# Altium PCB STB_LightBoard.PcbDoc (part 13 of 31) (continued)
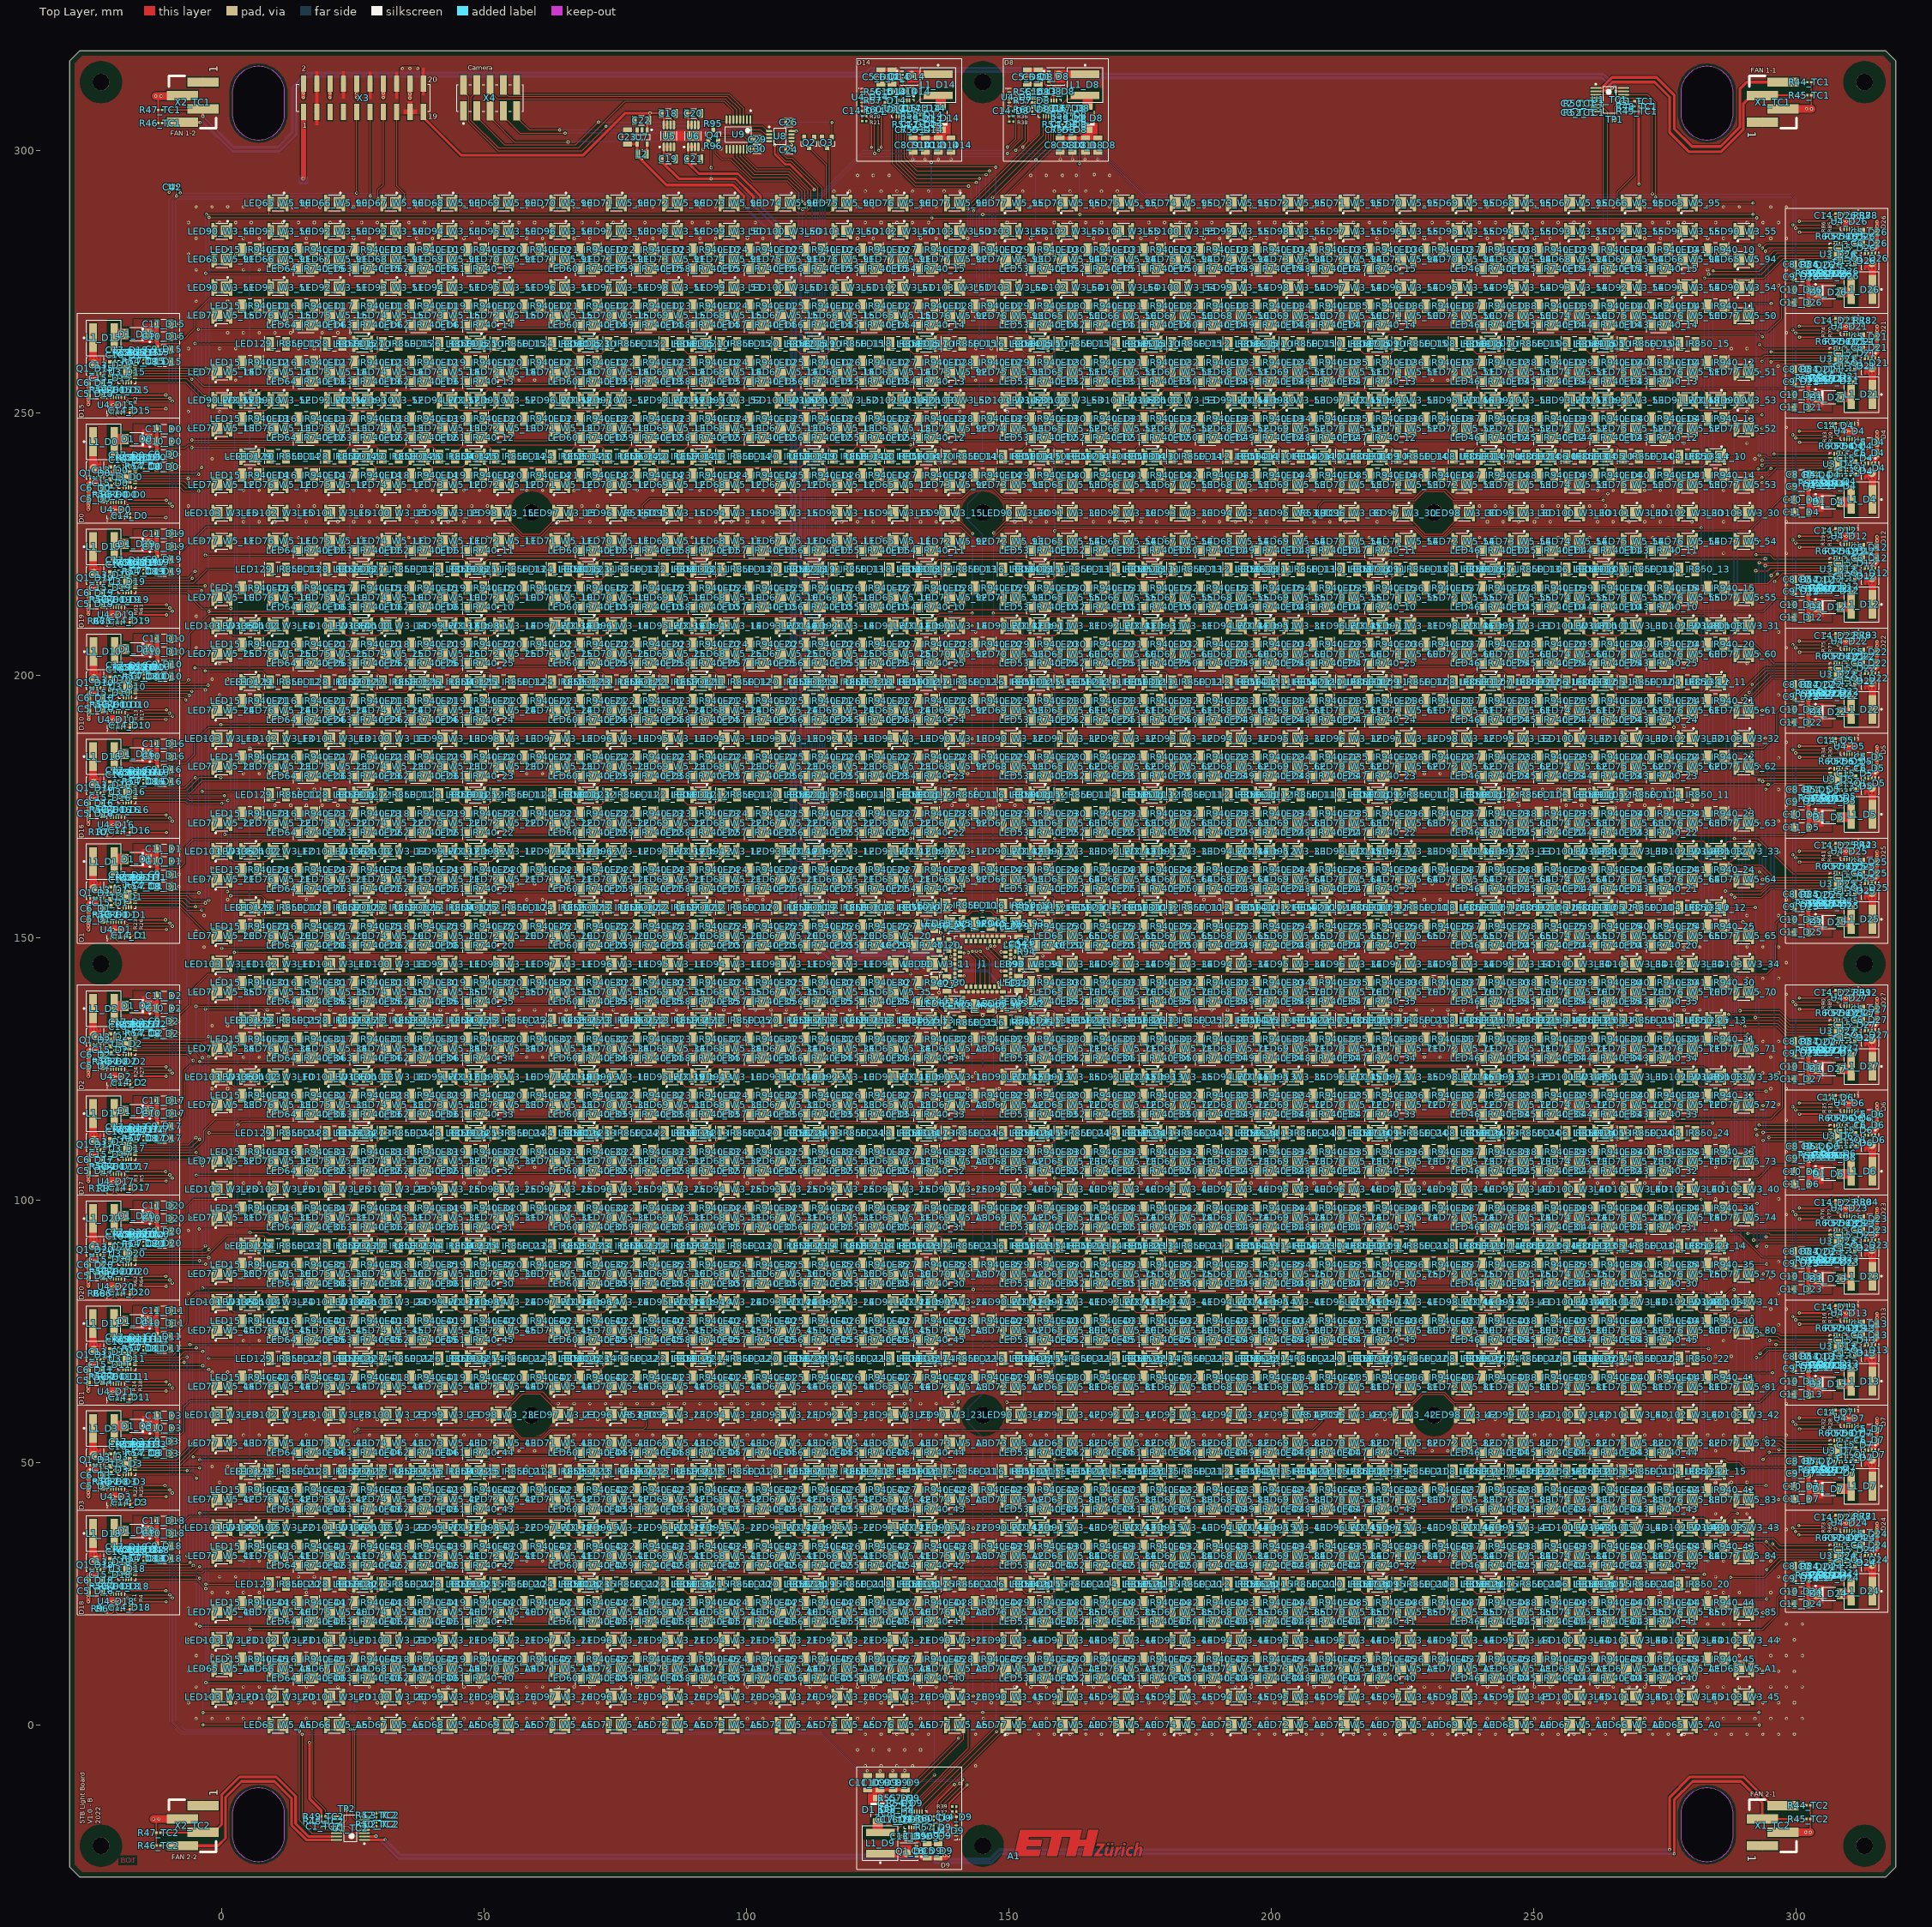
[diagram p0: Top Layer view]
## Nets (pads, with @x,y where several pads share a name; then routed paths per layer and width w, separated by ;. In a path a pad name is that pad's centre, name@x,y a point inside that pad or via, vN(x,y) a via of type N, cw(c..) or ccw(c..) an arc to the next point about the centre after c; other vN are vias at no path point) (continued)
  Top Layer w0.4: v1(105.375,301.075) 105.375,299.323 107.398,297.3 108.305,297.3 112.861,292.744 112.861,292.539 v1(112.9,292.5)
  Top Layer w0.5: v1(16.714,-3.34) 16.714,-14.042 18.978,-16.307 R49_TC2.2@18.978,-17.42 R48_TC2.2@18.978,-18.391 ; v1(270.028,293.542) R48_TC1.2@270.028,308.385
  Top Layer w1: v1(15.497,294.604) 15.57,294.677 X3.1@15.57,307.3
  Bottom Layer w0.2: v1(101.45,301.05) v1@108.588,301.05
  Bottom Layer w0.254: v1(-22.7,83.2) -21.836,84.064 -21.836,86.052 -21.482,86.407 -21.482,86.538 ; v1(-22.7,211.4) -21.9,212.2 -21.9,213.9 -21.482,214.318 ; v1(-22.655,23.155) -21.85,23.96 -21.85,26.076 -21.482,26.444 v1(-21.482,27.018) ; v1(-22.622,171.078) -21.9,171.8 -21.9,173.986 -21.425,174.461 ; v1(-22.553,103.247) -21.836,103.964 -21.836,106.064 -21.482,106.418 ; v1(-21.524,67.018) -20.895,66.389 -19.743,66.389 v1(-19.131,67.001) ; -21.491,26.389 -19.701,26.389 v1(-19.089,27.001) ; v1(-21.482,47.018) -20.853,46.389 -19.701,46.389 v1(-19.089,47.001) ; v1(-21.482,87.018) -21.482,86.538 ; v1(-21.482,107.018) -21.482,106.418 ; v1(-21.482,127.018) -20.853,126.389 -19.701,126.389 v1(-19.089,127.001) ; v1(-21.482,155.018) -20.853,154.389 -19.701,154.389 v1(-19.089,155.001) ; v1(-21.482,175.018) -21.482,174.518 -21.425,174.461 ; v1(-21.482,215.018) -21.482,214.389 -19.701,214.389 v1(-19.089,215.001) ; v1(-21.482,235.018) -20.853,234.389 -19.701,234.389 v1(-19.089,235.001) ; v1(-21.482,255.018) -20.853,254.389 -19.701,254.389 v1(-19.089,255.001) ; v1(-21.424,195.018) -20.795,194.389 -19.643,194.389 v1(-19.031,195.001) ; v1(-19.089,87.001) -19.701,86.389 -21.333,86.389 -21.482,86.538 ; v1(-19.089,107.001) -19.701,106.389 -21.471,106.389 -21.482,106.4 -21.482,106.418 ; v1(-19.089,175.001) -19.701,174.389 -21.353,174.389 -21.425,174.461 ; v1(127.001,309.089) 126.431,309.659 126.431,310.896 v1(127.018,311.482) ; v1(134.982,-21.482) 135.611,-20.853 135.611,-19.701 v1(134.999,-19.089) ; v1(155.001,309.089) 154.264,309.826 154.264,310.728 v1(155.018,311.482) ; v1(309.089,34.999) 309.69,35.6 311.482,35.6 ; v1(309.089,54.999) 309.701,55.611 310.853,55.611 v1(311.482,54.982) ; v1(309.089,74.999) 309.701,75.611 310.853,75.611 v1(311.482,74.982) ; v1(309.089,94.999) 309.701,95.611 311.482,95.611 311.482,95.549 ; v1(309.089,114.999) 309.701,115.611 310.853,115.611 v1(311.482,114.982) ; v1(309.089,134.999) 309.726,135.636 311.458,135.636 ; v1(309.089,162.999) 309.701,163.611 311.473,163.611 311.482,163.602 311.482,163.588 ; v1(309.089,182.999) 309.701,183.611 310.853,183.611 v1(311.482,182.982) ; v1(309.089,202.999) 309.701,203.611 311.411,203.611 311.466,203.557 ; v1(309.089,222.999) 309.701,223.611 310.853,223.611 v1(311.482,222.982) ; v1(309.089,242.999) 309.701,243.611 310.853,243.611 v1(311.482,242.982) ; v1(309.089,262.999) 309.701,263.611 311.482,263.611 ; v1(309.089,282.999) 309.701,283.611 311.482,283.611 311.482,283.573 ; v1(311.482,34.982) 311.482,35.6 ; v1(311.482,94.982) 311.482,95.549 ; v1(311.482,134.982) 311.458,135.006 311.458,135.636 ; v1(311.482,162.982) 311.482,163.588 ; v1(311.482,202.982) 311.482,203.54 311.466,203.557 ; v1(311.482,262.982) 311.482,263.593 311.871,263.983 311.871,265.771 v1(312.7,266.6) ; v1(311.482,282.982) 311.482,283.573 ; v1(312.7,38.8) 311.8,37.9 311.8,35.918 311.482,35.6 ; v1(312.7,138.6) 311.825,137.725 311.825,136.025 311.458,135.658 311.458,135.636 ; v1(312.7,206.5) 311.843,205.643 311.843,203.934 311.466,203.557 ; v1(312.7,286.6) 311.775,285.675 311.775,283.866 311.482,283.573 ; v1(312.8,166.7) 311.9,165.8 311.9,164.005 311.482,163.588 ; v1(312.818,98.59) 311.8,97.572 311.8,95.867 311.482,95.549
  other v1: 300.5,36.2 300.617,56.388 300.617,76.388 300.617,96.388 300.617,116.388 300.617,136.388 -10.7,153.4 300.617,164.388 300.617,184.388 300.617,204.388 300.617,224.388 300.617,244.388 300.617,264.388 300.617,284.388 125.7,300.6 108.588,301.025
5V: C18.1 C20.1 C22.1 U5.5 U5.7 U5.8 U6.5 U6.7 U6.8 U7.1 U7.3 X3.19 | length 81.2
  Top Layer w0.2: 84.225,306.175 85.5,306.175 86.175,305.5 U5.5@86.175,304.85 ; C20.1@88.563,307.05 88.669,306.944 88.857,306.756 88.857,306.368 88.857,306.043 88.875,306.043 90.423,306.043 90.8,305.666 U6.5@90.8,305.1
  Top Layer w0.4: U7.3@79.15,303.925 79.172,303.903 79.172,303.128 79.41,302.89 80.716,302.89 80.95,303.125 80.95,303.825 U7.1@81.05,303.925 81.05,305.05 81.263,305.263 C22.1@81.263,305.873 ; C22.1@81.362,305.75 81.558,305.945 81.558,307.061 v1(81.597,307.1) 83.688,307.1 C18.1@83.738,307.05 83.738,306.663 84.225,306.175 U5.8@84.225,304.85 U5.7@84.875,304.85 ; v1(89.5,307.1) 88.825,307.1 88.669,306.944 88.563,306.837 88.563,306.663 88.857,306.368 88.875,306.35 88.875,306.043 U6.8@88.875,304.85 U6.7@89.525,304.85 ; U6.5@90.815,304.86 U6.5@90.825,304.85
  Top Layer w0.5: X3.19@38.43,307.3 38.43,306.25 45.577,299.103 68.903,299.103 76.9,307.1 v1(81.597,307.1)
  Bottom Layer w0.4: v1(81.597,307.1) v1(89.5,307.1)
12V: R44_TC1.2 R44_TC2.2 R45_TC1.2 R45_TC2.2 R46_TC1.2 R46_TC2.2 R47_TC1.2 R47_TC2.2 X1_TC1.2 X1_TC2.2 X2_TC1.2 X2_TC2.2 X3.17 | length 46.8
  Top Layer w0.3: v1(-12.55,310.345) -12.085,309.879 R47_TC1.2@-12.085,307.7 ; R46_TC2.2@-12.468,-22.973 -12.468,-18.032 ; R46_TC1.2@-12.085,305.185 R47_TC1.2@-12.085,307.7 ; R44_TC1.2@302.875,313 R45_TC1.2@302.875,310.5 302.875,307.925 v1(302.9,307.9) ; v1@302.7,-20.437 R44_TC2.2@302.7,-15.3 v1@302.7,-20.437
  Top Layer w1: v1@301.812,-20.443 v1(301.822,-20.433) ; v1@302.696,-20.433 v1(302.708,-20.445) v1@302.7,-20.437
  Top Layer w1.5: v1(-12.98,-17.92) v1(-11.98,-17.92) X2_TC2.2@-7.515,-17.92 ; v1@-12.545,310.35 v1@-11.555,310.35 ; v1@-11.545,310.35 -7.625,310.35 X2_TC1.2@-7.515,310.46 ; X1_TC1.2@297.515,307.92 v1(301.979,307.92) ; X1_TC2.2@297.532,-20.443 v1@301.812,-20.443 ; v1(301.822,-20.433) v1@302.696,-20.433 ; v1@301.982,307.917 v1@302.883,307.917
  other v1: -11.55,310.345 34.446,315.623 35.846,315.623 37.346,315.623
24V: C5_D0.1 C5_D1.1 C5_D2.1 C5_D3.1 C5_D4.1 C5_D5.1 C5_D6.1 C5_D7.1 C5_D8.1 C5_D9.1 C5_D10.1 C5_D11.1 C5_D12.1 C5_D13.1 C5_D14.1 C5_D15.1 C5_D16.1 C5_D17.1 C5_D18.1 C5_D19.1 C5_D20.1 C5_D21.1 C5_D22.1 C5_D23.1 C5_D24.1 C5_D25.1 C5_D26.1 C5_D27.1 C6_D0.1 C6_D1.1 C6_D2.1 C6_D3.1 C6_D4.1 C6_D5.1 C6_D6.1 C6_D7.1 C6_D8.1 C6_D9.1 C6_D10.1 C6_D11.1 C6_D12.1 C6_D13.1 C6_D14.1 C6_D15.1 C6_D16.1 C6_D17.1 C6_D18.1 C6_D19.1 C6_D20.1 C6_D21.1 C6_D22.1 C6_D23.1 C6_D24.1 C6_D25.1 C6_D26.1 C6_D27.1 C13_D0.1 C13_D1.1 C13_D2.1 C13_D3.1 C13_D4.1 C13_D5.1 C13_D6.1 C13_D7.1 C13_D8.1 C13_D9.1 C13_D10.1 C13_D11.1 C13_D12.1 C13_D13.1 C13_D14.1 C13_D15.1 C13_D16.1 C13_D17.1 C13_D18.1 C13_D19.1 C13_D20.1 C13_D21.1 C13_D22.1 C13_D23.1 C13_D24.1 C13_D25.1 C13_D26.1 C13_D27.1 Q1_D0.1 Q1_D0.2 Q1_D0.3 Q1_D1.1 Q1_D1.2 Q1_D1.3 Q1_D2.1 Q1_D2.2 Q1_D2.3 Q1_D3.1 Q1_D3.2 Q1_D3.3 Q1_D4.1 Q1_D4.2 Q1_D4.3 Q1_D5.1 Q1_D5.2 Q1_D5.3 Q1_D6.1 Q1_D6.2 Q1_D6.3 Q1_D7.1 Q1_D7.2 Q1_D7.3 Q1_D8.1 Q1_D8.2 Q1_D8.3 Q1_D9.1 Q1_D9.2 Q1_D9.3 Q1_D10.1 Q1_D10.2 Q1_D10.3 Q1_D11.1 Q1_D11.2 Q1_D11.3 Q1_D12.1 Q1_D12.2 Q1_D12.3 Q1_D13.1 Q1_D13.2 Q1_D13.3 Q1_D14.1 Q1_D14.2 Q1_D14.3 Q1_D15.1 Q1_D15.2 Q1_D15.3 Q1_D16.1 Q1_D16.2 Q1_D16.3 Q1_D17.1 Q1_D17.2 Q1_D17.3 Q1_D18.1 Q1_D18.2 Q1_D18.3 Q1_D19.1 Q1_D19.2 Q1_D19.3 Q1_D20.1 Q1_D20.2 Q1_D20.3 Q1_D21.1 Q1_D21.2 Q1_D21.3 Q1_D22.1 Q1_D22.2 Q1_D22.3 Q1_D23.1 Q1_D23.2 Q1_D23.3 Q1_D24.1 Q1_D24.2 Q1_D24.3 Q1_D25.1 Q1_D25.2 Q1_D25.3 Q1_D26.1 Q1_D26.2 Q1_D26.3 Q1_D27.1 Q1_D27.2 Q1_D27.3 U3_D0.2 U3_D0.3 U3_D1.2 U3_D1.3 U3_D2.2 U3_D2.3 U3_D3.2 U3_D3.3 U3_D4.2 U3_D4.3 U3_D5.2 U3_D5.3 U3_D6.2 U3_D6.3 U3_D7.2 U3_D7.3 U3_D8.2 U3_D8.3 U3_D9.2 U3_D9.3 U3_D10.2 U3_D10.3 U3_D11.2 U3_D11.3 U3_D12.2 U3_D12.3 U3_D13.2 U3_D13.3 U3_D14.2 U3_D14.3 U3_D15.2 U3_D15.3 U3_D16.2 U3_D16.3 U3_D17.2 U3_D17.3 U3_D18.2 U3_D18.3 U3_D19.2 U3_D19.3 U3_D20.2 U3_D20.3 U3_D21.2 U3_D21.3 U3_D22.2 U3_D22.3 U3_D23.2 U3_D23.3 U3_D24.2 U3_D24.3 U3_D25.2 U3_D25.3 U3_D26.2 U3_D26.3 U3_D27.2 U3_D27.3 X3.2 X3.6 X3.10 X3.14 X3.18 | length 279.9
  Top Layer w0.2: -20.48,70.55 -20.48,70.239 -20.291,70.05 U3_D11.3@-19.542,70.05 ; -20.438,30.55 -20.438,30.239 -20.249,30.05 U3_D18.3@-19.5,30.05 ; -20.438,50.55 -20.438,50.239 -20.249,50.05 U3_D3.3@-19.5,50.05 ; -20.438,90.55 -20.438,90.239 -20.249,90.05 U3_D20.3@-19.5,90.05 ; -20.438,110.55 -20.438,110.239 -20.249,110.05 U3_D17.3@-19.5,110.05 ; -20.438,130.55 -20.438,130.239 -20.249,130.05 U3_D2.3@-19.5,130.05 ; -20.438,158.55 -20.438,158.239 -20.249,158.05 U3_D1.3@-19.5,158.05 ; -20.438,178.55 -20.438,178.239 -20.249,178.05 U3_D16.3@-19.5,178.05 ; -20.438,218.55 -20.438,218.239 -20.249,218.05 U3_D19.3@-19.5,218.05 ; -20.438,238.55 -20.438,238.239 -20.249,238.05 U3_D0.3@-19.5,238.05 ; -20.438,258.55 -20.438,258.239 -20.249,258.05 U3_D15.3@-19.5,258.05 ; -20.379,198.55 -20.379,198.239 -20.191,198.05 U3_D10.3@-19.442,198.05 ; U3_D14.3@130.05,309.5 130.05,310.249 130.239,310.437 130.55,310.437 ; 131.45,-20.437 131.761,-20.437 131.95,-20.249 U3_D9.3@131.95,-19.5 ; U3_D8.3@158.05,309.5 158.05,310.249 158.239,310.437 158.55,310.437 ; U3_D24.3@309.5,31.95 310.249,31.95 310.438,31.761 310.438,31.45 ; U3_D7.3@309.5,51.95 310.249,51.95 310.438,51.761 310.438,51.45 ; U3_D13.3@309.5,71.95 310.249,71.95 310.438,71.761 310.438,71.45 ; U3_D23.3@309.5,91.95 310.249,91.95 310.438,91.761 310.438,91.45 ; U3_D6.3@309.5,111.95 310.249,111.95 310.438,111.761 310.438,111.45 ; U3_D27.3@309.5,131.95 310.249,131.95 310.438,131.761 310.438,131.45 ; U3_D25.3@309.5,159.95 310.249,159.95 310.438,159.761 310.438,159.45 ; U3_D5.3@309.5,179.95 310.249,179.95 310.438,179.761 310.438,179.45 ; U3_D22.3@309.5,199.95 310.249,199.95 310.438,199.761 310.438,199.45 ; U3_D12.3@309.5,219.95 310.249,219.95 310.438,219.761 310.438,219.45 ; U3_D4.3@309.5,239.95 310.249,239.95 310.438,239.761 310.438,239.45 ; U3_D21.3@309.5,259.95 310.249,259.95 310.438,259.761 310.438,259.45 ; U3_D26.3@309.5,279.95 310.249,279.95 310.438,279.761 310.438,279.45
  Top Layer w0.25: -24.231,176.892 -22.508,176.892 -22.2,177.2 -22.2,177.687 -21.549,178.337 -21.413,178.337 C13_D16.1@-21.225,178.525 ; -23.87,68.9 -22.542,68.9 -22.242,69.2 -22.242,69.65 C13_D11.1@-21.367,70.525 ; -23.853,236.85 -22.55,236.85 -22.2,237.2 -22.2,237.65 C13_D0.1@-21.325,238.525 ; -23.795,256.852 -22.548,256.852 -22.2,257.2 -22.2,257.65 C13_D15.1@-21.325,258.525 ; -23.76,88.842 -22.558,88.842 -22.2,89.2 -22.2,89.65 C13_D20.1@-21.325,90.525 ; -23.74,108.868 -22.532,108.868 -22.2,109.2 -22.2,109.65 C13_D17.1@-21.325,110.525 ; -23.727,216.895 -22.505,216.895 -22.2,217.2 -22.2,217.65 C13_D19.1@-21.325,218.525 ; -23.7,28.8 -22.6,28.8 -22.2,29.2 -22.2,29.65 -21.325,30.525 C13_D18.1@-21.225,30.525 ; -23.7,48.8 -22.6,48.8 -22.2,49.2 -22.2,49.65 C13_D3.1@-21.325,50.525 ; -23.687,128.906 -22.494,128.906 -22.2,129.2 -22.2,129.65 C13_D2.1@-21.325,130.525 ; -23.672,196.909 -22.432,196.909 -22.142,197.2 -22.142,197.65 C13_D10.1@-21.267,198.525 ; -23.648,156.905 -22.495,156.905 -22.2,157.2 -22.2,157.65 C13_D1.1@-21.325,158.525 ; C13_D11.1@-21.267,70.55 -20.48,70.55 U3_D11.2@-19.542,70.55 ; C13_D18.1@-21.225,30.55 -20.438,30.55 U3_D18.2@-19.5,30.55 ; C13_D3.1@-21.225,50.55 -20.438,50.55 U3_D3.2@-19.5,50.55 ; C13_D20.1@-21.225,90.55 -20.438,90.55 U3_D20.2@-19.5,90.55 ; C13_D17.1@-21.225,110.55 -20.438,110.55 U3_D17.2@-19.5,110.55 ; C13_D2.1@-21.225,130.55 -20.438,130.55 U3_D2.2@-19.5,130.55 ; C13_D1.1@-21.225,158.55 -20.438,158.55 U3_D1.2@-19.5,158.55 ; C13_D16.1@-21.225,178.55 -20.438,178.55 U3_D16.2@-19.5,178.55 ; C13_D19.1@-21.225,218.55 -20.438,218.55 U3_D19.2@-19.5,218.55 ; C13_D0.1@-21.225,238.55 -20.438,238.55 U3_D0.2@-19.5,238.55 ; C13_D15.1@-21.225,258.55 -20.438,258.55 U3_D15.2@-19.5,258.55 ; C13_D10.1@-21.167,198.55 -20.379,198.55 U3_D10.2@-19.442,198.55 ; 128.903,313.868 128.903,312.48 129.191,312.192 129.648,312.192 130.327,311.512 130.338,311.512 130.525,311.325 C13_D14.1@130.525,311.225 ; U3_D14.2@130.55,309.5 130.55,310.437 C13_D14.1@130.55,311.225 ; C13_D9.1@131.45,-21.225 131.45,-20.437 U3_D9.2@131.45,-19.5 ; C13_D9.1@131.475,-21.225 131.475,-21.325 132.38,-22.23 132.83,-22.23 133.1,-22.5 133.1,-24.1 ; 156.791,313.692 156.791,312.592 157.191,312.192 157.658,312.192 158.525,311.325 C13_D8.1@158.525,311.225 ; U3_D8.2@158.55,309.5 158.55,310.437 C13_D8.1@158.55,311.225 ; U3_D24.2@309.5,31.45 310.438,31.45 C13_D24.1@311.225,31.45 ; U3_D7.2@309.5,51.45 310.438,51.45 C13_D7.1@311.225,51.45 ; U3_D13.2@309.5,71.45 310.438,71.45 C13_D13.1@311.225,71.45 ; U3_D23.2@309.5,91.45 310.438,91.45 C13_D23.1@311.225,91.45 ; U3_D6.2@309.5,111.45 310.438,111.45 C13_D6.1@311.225,111.45 ; U3_D27.2@309.5,131.45 310.438,131.45 C13_D27.1@311.225,131.45 ; U3_D25.2@309.5,159.45 310.438,159.45 C13_D25.1@311.225,159.45 ; U3_D5.2@309.5,179.45 310.438,179.45 C13_D5.1@311.225,179.45 ; U3_D22.2@309.5,199.45 310.438,199.45 C13_D22.1@311.225,199.45 ; U3_D12.2@309.5,219.45 310.438,219.45 C13_D12.1@311.225,219.45 ; U3_D4.2@309.5,239.45 310.438,239.45 C13_D4.1@311.225,239.45 ; U3_D21.2@309.5,259.45 310.438,259.45 C13_D21.1@311.225,259.45 ; U3_D26.2@309.5,279.45 310.438,279.45 C13_D26.1@311.225,279.45 ; C13_D24.1@311.325,31.475 312.2,32.35 312.2,32.8 312.493,33.093 313.869,33.093 ; C13_D7.1@311.325,51.475 312.2,52.35 312.2,52.8 312.514,53.114 313.7,53.114 ; C13_D13.1@311.325,71.475 312.2,72.35 312.2,72.8 312.479,73.079 313.717,73.079 ; C13_D23.1@311.325,91.475 312.2,92.35 312.2,92.8 312.494,93.094 313.794,93.094 ; C13_D6.1@311.325,111.475 312.2,112.35 312.2,112.8 312.488,113.088 313.708,113.088 ; C13_D27.1@311.325,131.475 312.2,132.35 312.2,132.8 312.525,133.125 313.802,133.125 ; C13_D25.1@311.325,159.475 312.2,160.35 312.2,160.8 312.52,161.12 313.632,161.12 ; C13_D5.1@311.325,179.475 312.2,180.35 312.2,180.8 312.497,181.097 313.887,181.097 ; C13_D22.1@311.325,199.475 312.2,200.35 312.2,200.8 312.551,201.151 313.594,201.151 ; C13_D12.1@311.325,219.475 312.2,220.35 312.2,220.8 312.478,221.078 313.724,221.078 ; C13_D4.1@311.325,239.475 312.2,240.35 312.2,240.8 312.566,241.166 313.864,241.166 ; C13_D21.1@311.325,259.475 312.2,260.35 312.2,260.8 312.549,261.149 313.741,261.149 ; C13_D26.1@311.325,279.475 312.2,280.35 312.2,280.8 312.535,281.135 313.728,281.135
  Top Layer w0.8: v1(-25.44,63.619) -25.435,63.624 v1(-25.435,64.376) -25.435,65.569 C5_D11.1@-25.404,65.6 C6_D11.1@-25.404,67.7 ; v1(-25.398,23.519) -25.393,23.524 v1(-25.393,24.276) -25.393,25.469 C5_D18.1@-25.363,25.5 ; v1(-25.398,43.519) -25.393,43.524 v1(-25.393,44.276) -25.393,45.469 C5_D3.1@-25.363,45.5 C6_D3.1@-25.363,47.6 ; v1(-25.398,83.619) -25.393,83.624 v1(-25.393,84.376) -25.393,85.569 C5_D20.1@-25.363,85.6 C6_D20.1@-25.363,87.7 ; v1(-25.398,103.619) -25.393,103.624 v1(-25.393,104.376) -25.393,105.569 C5_D17.1@-25.363,105.6 C6_D17.1@-25.363,107.7 ; v1(-25.398,123.619) -25.393,123.624 v1(-25.393,124.376) -25.393,125.569 C5_D2.1@-25.363,125.6 C6_D2.1@-25.363,127.7 ; v1(-25.398,151.519) -25.393,151.524 v1(-25.393,152.276) -25.393,153.469 C5_D1.1@-25.363,153.5 C6_D1.1@-25.363,155.6 ; v1(-25.398,171.619) -25.393,171.624 v1(-25.393,172.376) -25.393,173.569 C5_D16.1@-25.363,173.6 C6_D16.1@-25.363,175.7 ; v1(-25.398,211.619) -25.393,211.624 v1(-25.393,212.376) -25.393,213.569 C5_D19.1@-25.363,213.6 C6_D19.1@-25.363,215.7 ; v1(-25.398,231.619) -25.393,231.624 v1(-25.393,232.376) -25.393,232.973 -25.363,233.003 C5_D0.1@-25.363,233.6 C6_D0.1@-25.363,235.7 ; v1(-25.398,251.619) -25.393,251.624 v1(-25.393,252.376) -25.393,253.569 C5_D15.1@-25.363,253.6 C6_D15.1@-25.363,255.7 ; v1(-25.34,191.619) -25.335,191.624 v1(-25.335,192.376) -25.335,193.569 C5_D10.1@-25.305,193.6 C6_D10.1@-25.305,195.7 ; v1(15.545,310.07) v1(15.545,310.87) X3.2@15.545,312.7 ; v1(20.625,310.07) v1(20.625,310.87) X3.6@20.625,312.7 ; v1(25.705,310.07) v1(25.705,310.87) X3.10@25.705,312.7 ; v1(30.785,310.07) v1(30.785,310.87) X3.14@30.785,312.7 ; v1(35.855,309.97) v1(35.855,310.77) X3.18@35.855,312.6 ; v1(125.215,314.196) v1(125.913,314.196) ; 125.581,314.596 125.581,315.252 125.699,315.371 C6_D14.1@128.193,315.371 ; C6_D9.1@134.4,-25.362 C5_D9.1@136.5,-25.362 136.531,-25.393 137.724,-25.393 ; v1(137.724,-24.841) 137.724,-25.393 ; v1(138.481,-24.841) 138.481,-24.923 138.011,-25.393 137.724,-25.393 ; v1(153.116,314.174) v1(153.913,314.174) ; 153.55,314.704 153.55,315.313 C5_D8.1@153.5,315.363 C6_D8.1@155.6,315.363 ; C5_D24.1@315.362,36.4 315.393,36.431 v1(315.393,37.624) 315.393,38.376 v1(315.398,38.381) ; C5_D7.1@315.362,56.4 315.393,56.431 v1(315.393,57.624) 315.393,58.376 v1(315.398,58.381) ; C5_D13.1@315.362,76.4 315.393,76.431 v1(315.393,77.624) 315.393,78.376 v1(315.398,78.381) ; C5_D23.1@315.362,96.4 315.393,96.431 v1(315.393,97.624) 315.393,98.376 v1(315.398,98.381) ; C5_D6.1@315.362,116.4 315.393,116.431 v1(315.393,117.624) 315.393,118.376 v1(315.398,118.381) ; C5_D27.1@315.362,136.4 315.393,136.431 v1(315.393,137.624) 315.393,138.376 v1(315.398,138.381) ; C5_D25.1@315.362,164.4 315.393,164.431 v1(315.393,165.624) 315.393,166.376 v1(315.398,166.381) ; C5_D5.1@315.362,184.4 315.393,184.431 v1(315.393,185.624) 315.393,186.376 v1(315.398,186.381) ; C5_D22.1@315.362,204.4 315.393,204.431 v1(315.393,205.624) 315.393,206.376 v1(315.398,206.381) ; C5_D12.1@315.362,224.4 315.393,224.431 v1(315.393,225.624) 315.393,226.376 v1(315.398,226.381) ; C5_D4.1@315.362,244.4 315.393,244.431 v1(315.393,245.624) 315.393,246.376 v1(315.398,246.381) ; C5_D21.1@315.362,264.5 315.393,264.531 v1(315.393,265.724) 315.393,266.476 v1(315.398,266.481) ; C5_D26.1@315.362,284.4 315.393,284.431 v1(315.393,285.624) 315.393,286.376 v1(315.398,286.381)
CAM_1.2V: C23.1 C27.1 J1.7 L2.2 U7.4 | length 209.7
  Top Layer w0.2: J1.7@140.69,142.75 J1.7@140.698,142.742 ; v1@141.447,142.742 v1(141.455,142.734)
  Top Layer w0.5: C23.1@77.3,301.188 77.306,301.181 79.144,301.181 U7.4@79.15,301.175 L2.2@79.15,299.25 ; L2.2@79.295,299.25 79.295,298.855 84.75,293.4 97.393,293.4 99.5,291.293 v1(99.5,289.4) ; C27.1@138.2,142.562 138.484,142.562 138.696,142.35 v1(138.696,141.801) ; J1.7@140.698,142.742 v1@141.447,142.742
  Bottom Layer w0.5: v1(99.5,289.4) 108.6,280.3 108.6,153 115.833,145.767 136.038,145.767 138.696,143.109 138.696,142.734 ; v1(138.696,141.801) 138.696,142.734 ; v1(141.455,142.734) 138.696,142.734
CAM_2.8V: C21.1 C34.1 J1.19 U6.1 U6.2 U6.3 | length 213.7
  Top Layer w0.4: C21.1@88.55,298.63 88.875,298.955 U6.1@88.875,300.65 U6.2@89.525,300.65 U6.3@90.175,300.65
  Top Layer w0.5: C21.1@88.55,298.63 88.55,297.95 C21.1@88.563,297.95 ; C21.1@88.563,297.963 C21.1@88.563,298.35 ; C21.1@88.575,297.95 88.775,297.75 88.775,297.725 90.923,295.577 98.355,295.577 102.7,291.232 v1(102.7,289.3) ; v1(148.493,143.654) 148.497,143.65 J1.19@149.31,143.65 ; v1(151.795,148.29) 151.795,147.542 C34.1@151.9,147.438
  Bottom Layer w0.152: v1(102.7,289.3) 102.8,289.3 v1@102.9,289.2
  Bottom Layer w0.5: v1@102.9,289.2 110.303,281.797 110.303,154.298 117.301,147.301 137.558,147.301 137.895,146.964 137.895,146.111 139.146,144.86 147.287,144.86 v1(148.493,143.654) 150.754,143.654 151.789,144.689 151.789,148.283 v1(151.795,148.29)
CAM_MasterCLK: J1.26 Y1.3 | length 11.7
  Top Layer w0.2: Y1.3@138.55,147.55 138.9,147.2 v1(138.9,146.4) ; J1.26@147.25,149.31 147.275,149.285 147.275,148.409 v1(147.299,148.385)
  Bottom Layer w0.2: v1(138.9,146.4) 145.7,146.4 147.266,147.966 147.266,148.352 v1(147.299,148.385)
CAM_nRESET: C26.2 J1.24 Q3.3 R94.2 | length 188
  Top Layer w0.2: Q3.3@115.325,300.475 Q3.3@115.325,300.525 115.754,300.096 115.754,289.657 v1(115.697,289.6) ; J1.24@149.31,148.15 149.37,148.21 v1(149.37,149.102) ; v1(151.776,149.138) 152.796,149.138 153.05,148.885 153.05,148.875 153.375,148.55 C26.2@153.385,148.55 ; R94.2@153.4,147.7 C26.2@153.4,148.35
  Bottom Layer w0.2: v1(115.697,289.6) 115.5,289.6 115,289.1 115,156.457 119.999,151.458 147.015,151.458 v1(149.37,149.102) 149.388,149.12 151.758,149.12 v1(151.776,149.138)
CAM_PW_nDWN: J1.23 Q2.3 R93.2 Y1.1 | length 190.8
  Top Layer w0.2: Q2.3@111.925,300.525 111.925,300.475 115.2,297.2 115.2,290.241 v1(115.19,290.231) ; Y1.1@136.65,149.65 136.665,149.65 137.015,150 v1(137.015,150.899) ; v1(148.5,147.3) 148.525,147.275 149.285,147.275 J1.23@149.31,147.25 ; v1(151.085,146.3) 151.142,146.242 151.142,145.433 R93.2@151.2,145.375
  Bottom Layer w0.2: v1(115.19,290.231) 114.5,289.541 114.5,156.298 119.899,150.899 v1(137.015,150.899) 146.617,150.899 148.5,149.016 v1(148.5,147.3) 149.5,146.3 v1(151.085,146.3)